# Altium PCB Driver_BLDC.PcbDoc (part 2 of 3)
Units mm, origin at the board's own origin, x right, y up, seen from the top; angles counter-clockwise.
Board outline 199.8 x 169.8 mm, 2 copper layers (Top Layer, Bottom Layer), stack 1.371 mm thick; 322 components, 137 nets, 857 pads, 186 vias.
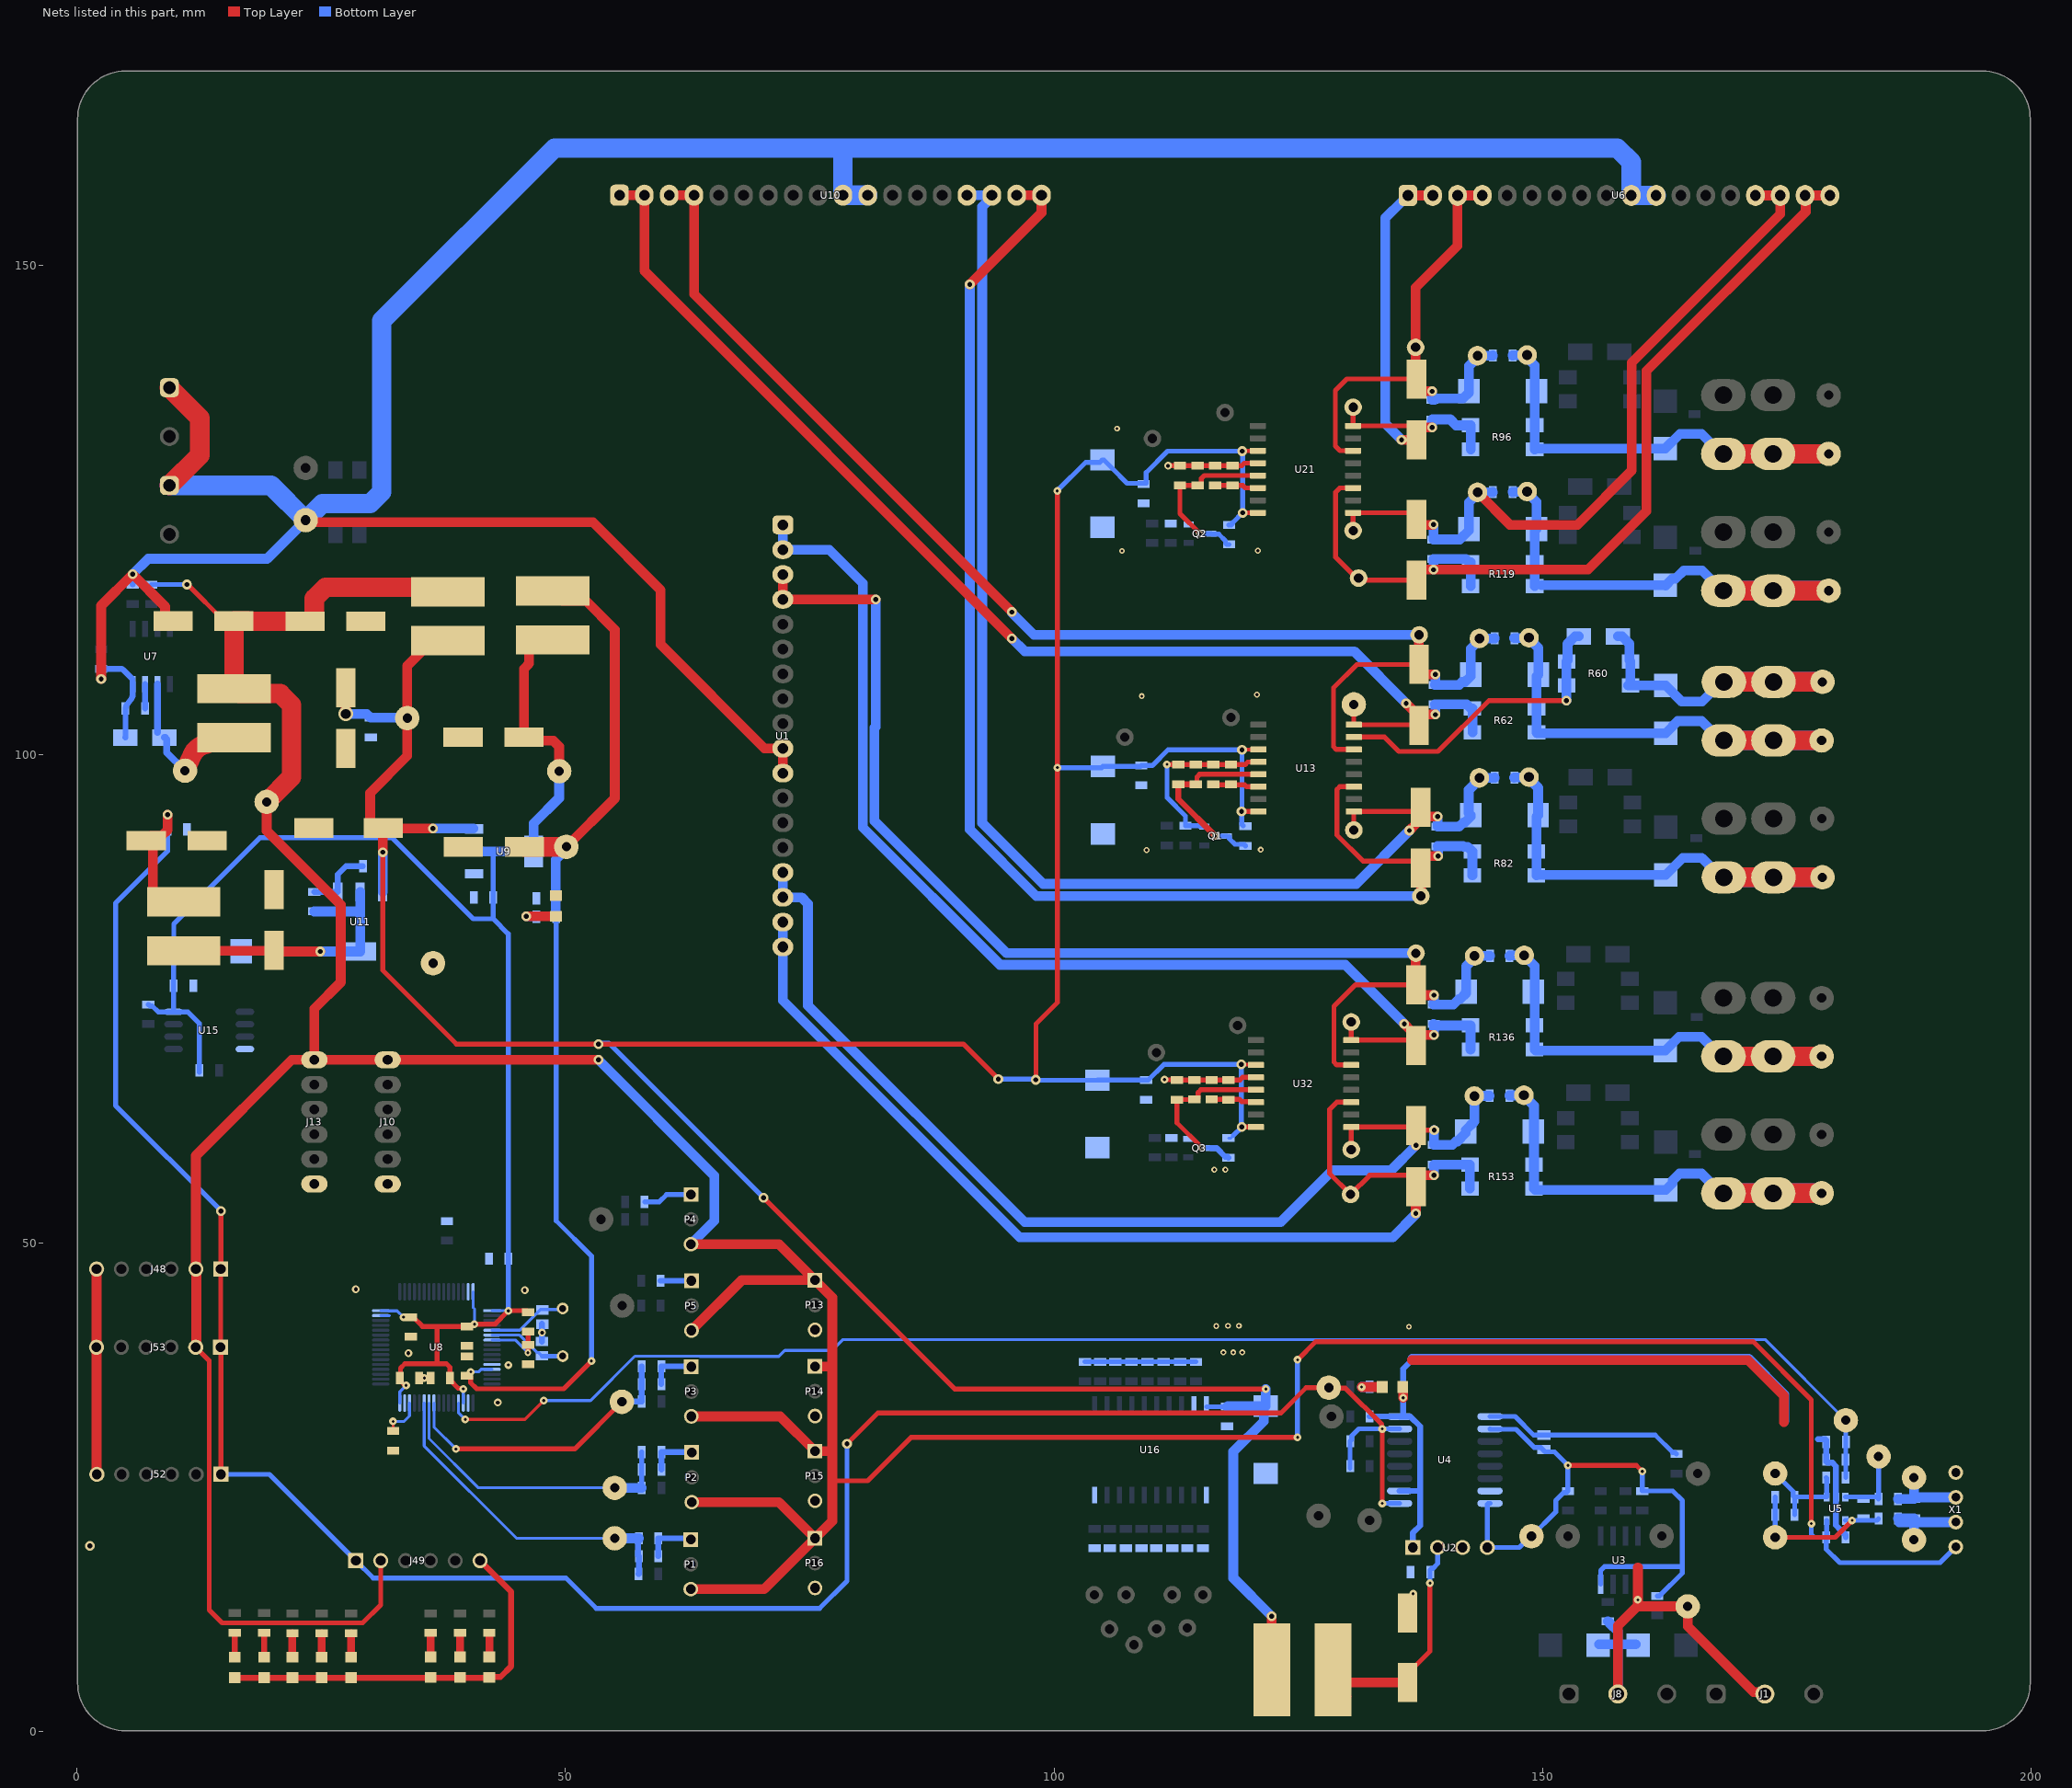
[diagram p2: the nets of this part, all layers, seen from the top]

## Via types
v1: diameter 0.8, hole 0.3, Top Layer to Bottom Layer, 76 vias
v2: diameter 0.8, hole 0.3, Top Layer to Bottom Layer, tented both sides, 35 vias
v3: diameter 1, hole 0.5, Top Layer to Bottom Layer, tented both sides, 35 vias
v4: diameter 0.6, hole 0.3, Top Layer to Bottom Layer, 16 vias
v5: diameter 1, hole 0.5, Top Layer to Bottom Layer, 16 vias
v6: diameter 0.8, hole 0.4, Top Layer to Bottom Layer, 4 vias
v7: diameter 0.8, hole 0.4, Top Layer to Bottom Layer, tented both sides, 2 vias
v8: diameter 0.7, hole 0.3, Top Layer to Bottom Layer, tented both sides, 1 vias
v9: diameter 1.5, hole 1, Top Layer to Bottom Layer, tented both sides, 1 vias

## Nets (pads, with @x,y where several pads share a name; then routed paths per layer and width w, separated by ;. In a path a pad name is that pad's centre, name@x,y a point inside that pad or via, vN(x,y) a via of type N, cw(c..) or ccw(c..) an arc to the next point about the centre after c; other vN are vias at no path point)
+3V3: C51.1 C52.2 J48.1 J49.1 J52.1 J53.1 L7.2 R25.2 R28.2 TP6.1 U4.1 U4.7 | length 249.7
  Top Layer w0.5: J53.1@14.747,39.332 J48.1@14.747,47.332 14.775,47.36 v3(14.775,53.275) ; J52.1@14.782,26.332 J53.1@14.782,39.287 ; v3(78.83,29.455) 81.989,32.614 123.224,32.614 125.809,35.198 TP6.1@128.125,35.198 ; TP6.1@128.125,35.775 128.666,35.775 128.666,35.529 129.049,35.146 129.832,35.146 133.536,31.443 133.536,31.039 v2(133.593,30.982) v2(133.593,23.362)
  Top Layer w1: v3(9.3,93.834) 9.3,92.245 8.714,91.659 7.625,91.659 C51.1@7.125,91.159 7.79,90.659 7.79,85.899 L7.2@10.96,84.899
  Bottom Layer w0.5: v3(9.3,93.834) C52.2@9.3,92.302 9.3,90.074 3.988,84.762 3.988,64.062 v3(14.775,53.275) ; J52.1@14.782,26.332 19.741,26.332 J49.1@28.577,17.496 30.348,15.725 50.061,15.725 53.174,12.612 76.017,12.612 78.83,15.425 v3(78.83,29.455) ; R28.2@130.303,26.947 R28.2@130.303,27.172 R25.2@130.303,29.712 130.453,29.862 130.453,30.224 131.211,30.982 v2(133.593,30.982) U4.7@135.368,30.982 ; v2(133.593,23.362) U4.1@135.368,23.362
+3V3_MCU: C4.2 C5.1 C12.1 C13.1 C14.1 C15.1 C16.1 C43.1 C46.2 L6.1 R13.1 R14.1 R58.2 TP33.1 U8.1 U8.19 U8.32 U8.48 U8.64 U9.2 U15.8 | length 180.7
  Top Layer w0.3: C13.1@38.22,35.961 C13.1@38.22,36.186
  Top Layer w0.5: C15.1@33.064,36.187 33.214,36.037 33.214,35.812 33.544,35.482 33.663,35.482 v2(33.72,35.424) ; C15.1@33.139,36.262 33.139,37.197 33.59,37.647 36.882,37.647 ; v2(33.451,42.42) 34.438,42.42 35.392,41.465 36.882,41.465 ; C13.1@38.214,36.226 38.214,37.27 37.836,37.647 36.882,37.647 ; C13.1@38.22,35.961 39.048,35.133 39.506,35.133 v1(39.564,35.076) ; R58.2@46.195,42.924 46.045,43.074 45.53,43.074 45.527,43.076 44.194,43.076 v2(44.171,43.053) 42.8,41.683 v2(40.715,41.683) 40.658,41.625 40.413,41.625 40.403,41.615 40.103,41.615 C14.1@39.953,41.465 36.882,41.465 ; 36.882,37.647 36.882,41.465
  Top Layer w1: L6.1@48.747,111.668 L6.1@48.717,111.698 47.303,111.698 46.303,110.698 46.303,109.284 45.765,108.746 C43.1@45.765,101.759 46.144,101.38 48.794,101.38 49.38,100.794 TP33.1@49.38,98.269
  Bottom Layer w0.3: C5.1@9.95,79.83 C5.1@9.95,79.98 ; U8.48@31.123,43.076 31.864,43.076 31.878,43.062 32.808,43.062 v2(33.451,42.42) ; U8.32@33.064,33.635 33.064,34.768 v2(33.72,35.424) ; U8.19@39.564,33.635 v1(39.564,35.076) ; U8.64@40.564,45.017 40.564,43.42 40.716,43.268 v2(40.715,41.683) ; U8.1@42.507,43.076 42.509,43.078 44.145,43.078 v2(44.171,43.053)
  Bottom Layer w0.5: R13.1@7.35,74.397 7.5,74.247 7.742,74.247 8.342,73.647 U15.8@9.918,73.647 ; C5.1@9.95,79.83 9.925,79.805 C4.2@9.925,76.33 9.925,73.653 U15.8@9.918,73.647 ; C5.1@9.95,79.98 9.95,82.649 18.76,91.459 32.292,91.459 40.581,83.17 42.63,83.17 ; R14.1@12.568,67.465 R14.1@12.568,67.659 12.568,72.448 11.37,73.647 U15.8@9.918,73.647 ; 42.63,90.059 C46.2@42.63,85.339 42.63,83.17 ; v2(44.171,43.053) 44.171,48.387 44.171,81.629 42.63,83.17
  Bottom Layer w1: U9.2@40.66,90.059 42.63,90.059 U9.2@46.76,90.059 46.76,92.912 49.38,95.532 TP33.1@49.38,98.269
+3V3_REF: C17.2 C44.1 C45.2 L6.2 R55.2 TP32.1 U8.13 | length 108.4
  Top Layer w0.3: C17.2@40.227,36.468 40.227,36.709 v2(40.337,36.82)
  Top Layer w0.5: C17.2@40.095,36.27 40.317,36.27 40.317,35.698 40.939,35.076 49.836,35.076 v1(52.68,37.92)
  Top Layer w1: L6.2@48.815,116.601 49.717,115.698 52.119,115.698 55.067,112.751 55.067,95.49 TP32.1@50.111,90.534
  Top Layer w2: C44.1@45.805,90.534 TP32.1@50.111,90.534 ; L6.2@48.717,116.698 L6.2@48.815,116.601
  Bottom Layer w0.3: v2(40.337,36.82) 40.352,36.834 41.166,36.834 41.408,37.076 U8.13@42.505,37.076
  Bottom Layer w0.5: R55.2@49.065,83.377 49.065,52.281 52.68,48.666 v1(52.68,37.92)
  Bottom Layer w1: R55.2@49.065,83.377 49.035,83.407 C45.2@49.035,85.247 49.035,89.198 50.111,90.274 TP32.1@50.111,90.534
+5: C6.2 C7.1 C19.1 C20.2 C21.1 C22.2 C23.1 C24.2 C39.1 C40.2 C42.2 C49.1 C54.2 L3.1 L4.2 R76.1 R104.1 R132.1 TP29.1 U9.3 U11.3 U13.3 U13.8 U16.20 U21.3 U21.8 U32.3 U32.8 | length 413.4
  Top Layer w0.4: v3(119.17,68.265) 119.196,68.239 120.645,68.239 U32.3@120.67,68.214 ; v3(119.245,100.465) 119.268,100.488 U13.3@120.932,100.488 ; v3(119.27,131.015) 119.3,131.045 120.853,131.045 U21.3@120.86,131.053
  Top Layer w0.5: v3(31.33,89.979) 31.33,77.89 38.862,70.358 v5(53.387,70.358) 90.729,70.358 v5(94.31,66.777) ; v5(70.282,54.636) 89.869,35.048 v1(121.675,35.048) ; v5(98.146,66.695) 98.171,66.721 98.171,72.415 100.355,74.6 v1(100.355,98.633) 100.355,126.924 v1(100.33,126.949) ; v3(119.195,94.14) 119.198,94.138 U13.8@120.932,94.138 ; v3(119.226,61.864) U32.8@120.67,61.864 ; v3(119.299,124.703) U21.8@120.86,124.703
  Top Layer w1: v9(27.55,104.139) C39.1@27.55,106.822 ; v3(31.33,89.979) 31.33,92.429 C49.1@31.36,92.459 ; C49.1@32.36,92.419 v3(36.45,92.419) ; C49.1@32.36,92.459 C49.1@31.36,92.459 ; TP29.1@33.83,103.339 33.83,99.832 30.04,96.042 30.04,92.959 30.54,92.459 C49.1@31.36,92.459 ; TP29.1@33.83,103.699 33.83,109.039 35.383,110.593 35.383,110.622 36.383,111.622 L4.2@37.998,111.622 L4.2@38.633,111.622 ; v3(122.276,11.811) 122.276,6.349 L3.1@122.3,6.325
  Bottom Layer w0.3: R132.1@117.866,60.727 118.091,60.727 R132.1@118.341,60.977
  Bottom Layer w0.5: v5(53.387,70.358) 53.444,70.415 53.656,70.415 53.7,70.46 54.458,70.46 v5(70.282,54.636) ; v5(94.31,66.777) 97.983,66.777 98.064,66.695 v5(98.146,66.695) 98.196,66.645 C23.1@104.445,66.645 104.473,66.674 C22.2@109.425,66.674 109.65,66.674 111.241,68.265 v3(119.17,68.265) 119.17,61.92 v3(119.226,61.864) R132.1@118.366,61.004 ; v1(100.33,126.949) 103.246,129.865 104.698,129.865 C21.1@104.953,130.12 105.103,130.12 105.953,129.27 107.495,127.728 109.44,127.728 109.44,128.823 111.632,131.015 v3(119.27,131.015) 119.299,130.986 v3(119.299,124.703) 118.292,123.695 118.292,123.619 118.142,123.469 R104.1@117.917,123.469 ; v1(100.355,98.633) 104.885,98.633 C19.1@105.004,98.751 108.851,98.751 C24.2@108.941,98.841 110.068,98.841 111.692,100.465 v3(119.245,100.465) 119.235,100.455 119.235,94.18 v3(119.195,94.14) 119.226,94.109 119.226,92.836 119.369,92.693 R76.1@119.387,92.693 ; U16.20@115.615,33.25 C6.2@117.725,33.25
  Bottom Layer w1: v9(27.55,104.139) 29.675,104.139 29.975,103.839 30,103.839 C40.2@30.1,103.739 33.79,103.739 TP29.1@33.83,103.699 ; U11.3@31.32,85.919 31.32,88.539 31.33,88.549 v3(31.33,89.979) ; v3(36.45,92.419) U9.3@40.6,92.419 ; C6.2@117.725,33.25 117.8,33.325 C7.1@121.675,33.325 v1(121.675,35.048) ; C7.1@121.467,33.117 121.467,31.768 118.35,28.651 118.35,15.736 v3(122.276,11.811)
+5V_1: C11.1 C25.2 C38.1 J10.6 J13.6 J48.2 J49.2 J53.2 L4.1 L5.2 P1.3 P2.3 P3.3 P4.3 P5.3 P13.1 P14.1 P15.1 P16.1 R56.1 TP30.1 U5.5 X1.1 | length 479.3
  Top Layer w0.5: v3(11.3,117.375) 11.354,117.375 15.1,113.629 C38.1@16.1,113.629 ; J53.2@12.197,39.332 13.564,37.965 13.564,12.446 14.885,11.125 29.259,11.125 31.117,12.983 J49.2@31.117,17.496 ; J48.2@12.207,47.332 J48.2@12.257,47.282 ; 77.325,25.665 80.94,25.665 85.4,30.125 v1(124.925,30.125) ; v1(124.925,38.05) 126.775,39.9 171.55,39.9 177.493,33.957 v1(177.493,21.294)
  Top Layer w1: J48.2@12.207,47.332 12.207,58.932 22.012,68.737 J13.6@24.328,68.737 ; J53.2@12.257,39.375 J48.2@12.257,47.282 ; TP30.1@19.45,95.125 19.45,92.189 27.025,84.614 27.025,76.674 24.328,73.977 J13.6@24.328,68.737 ; v5(53.391,68.732) 53.387,68.737 J10.6@31.828,68.737 J13.6@24.328,68.737 ; P1.3@62.842,14.587 70.352,14.587 P16.1@75.555,19.79 ; P4.3@62.867,49.881 71.864,49.881 P13.1@75.555,46.19 ; P3.3@62.893,32.262 71.998,32.262 P15.1@75.555,28.705 77.325,28.705 ; P5.3@62.917,41.051 68.056,46.19 P13.1@75.555,46.19 ; P2.3@62.943,23.487 71.858,23.487 P16.1@75.555,19.79 ; P14.1@75.555,37.375 77.325,37.375 ; P16.1@75.555,19.79 77.325,21.56 77.325,25.665 77.325,28.705 ; P13.1@75.555,46.19 77.325,44.42 77.325,37.375 ; 77.325,28.705 77.325,37.375
  Top Layer w2: C38.1@16.1,113.629 17.49,113.629 17.504,113.614 C11.1@22.504,113.614 ; C38.1@16.12,113.629 L5.2@16.12,106.709 16.62,106.209 20.828,106.209 22,105.037 22,97.675 TP30.1@19.45,95.125 ; C11.1@23.375,113.614 24.309,113.614 24.309,115.922 25.481,117.094 37.755,117.094 L4.1@38.159,116.69
  Bottom Layer w0.5: R56.1@7.64,117.369 11.294,117.369 v3(11.3,117.375) ; v1(124.925,30.125) v1(124.925,38.05) ; v1(177.493,21.294) 177.493,20.184 177.786,19.891 C25.2@179.013,19.891 ; U5.5@179.063,21.618 179.063,19.941 C25.2@179.013,19.891 ; X1.1@192.275,18.9 190.675,17.3 180.4,17.3 179.013,18.687 C25.2@179.013,19.891
  Bottom Layer w1: v5(53.391,68.732) 65.253,56.871 65.253,52.267 P4.3@62.867,49.881
+5V_ISO: C9.1 R24.2 R26.2 R27.2 TP5.1 U2.4 U3.8 U4.10 U4.16 | length 63.4
  Top Layer w0.5: v2(152.592,27.25) 159.589,27.25 v2(160.207,26.632)
  Bottom Layer w0.5: U4.16@144.618,23.362 144.435,23.362 144.343,23.27 U2.4@144.343,18.847 147.599,18.847 148.754,20.002 TP5.1@148.858,20.002 151.342,22.486 151.342,23.632 152.192,24.482 152.442,24.482 R27.2@152.592,24.632 ; U4.10@144.618,30.982 144.656,30.944 147.281,30.944 149.153,29.072 149.807,29.072 150.25,28.629 151.213,28.629 v2(152.592,27.25) 152.592,24.782 152.587,24.777 R27.2@152.587,24.637 ; U3.8@155.937,15.097 155.937,16.497 156.346,16.906 164.306,16.906 ; v2(160.207,26.632) R26.2@160.207,24.632 163.306,24.632 164.306,23.632 164.306,16.906 ; R24.2@161.732,13.892 161.957,13.892 164.306,16.241 164.306,16.906
+5V_RS: C33.1 C34.2 L3.2 U2.2 | length 26.2
  Top Layer w0.5: L3.2@128.55,6.325 128.55,5.227 128.726,5.051 L3.2@130.175,3.602 ; C33.1@136.175,5.025 136.175,6.025 136.925,6.775 137.007,6.775 138.475,8.243 v2(138.475,15.2)
  Top Layer w1: L3.2@128.55,5.051 128.726,5.051 C33.1@136.175,5.051
  Bottom Layer w0.5: v2(138.475,15.2) 138.486,15.211 138.486,16.538 138.648,16.7 138.753,16.7 139.263,17.21 U2.2@139.263,18.847
+24V_1: C57.2 C58.1 R62.2 TP36.1 U10.1 U10.2 U13.16 | length 127.6
  Top Layer w0.5: TP36.1@130.682,105.097 U13.16@130.682,103.028 137.307,103.028 C58.1@137.367,102.968
  Top Layer w1: U10.1@55.55,157.199 U10.2@58.09,157.199 58.09,149.454 v5(95.707,111.836) ; v3(136.045,105.215) 136.793,104.468 136.867,104.468 137.367,103.968 C58.1@137.367,103.563 ; C58.1@137.367,102.968 C58.1@137.367,103.563 ; v3(139.027,104.063) 137.867,104.063 C58.1@137.367,103.563
  Bottom Layer w1: v5(95.707,111.836) 97.003,110.541 130.72,110.541 v3(136.045,105.215) ; v3(139.027,104.063) 139.027,105.063 C57.2@138.987,105.103 142.226,105.103 142.651,104.678 R62.2@142.826,104.678 R62.2@142.826,102.228
+24V_2: C70.2 C71.1 R82.2 TP48.1 U10.17 U10.18 U13.11 | length 148.3
  Top Layer w0.5: U13.11@130.682,96.678 129.24,96.678 128.947,96.385 128.947,91.753 131.626,89.075 136.81,89.075 C71.1@137.155,88.73
  Top Layer w1: v5(91.389,148.082) 98.73,155.423 U10.18@98.73,157.199 U10.17@96.19,157.199 ; C71.1@137.155,88.73 137.57,88.315 TP48.1@137.57,85.94 ; C71.1@137.517,88.368 137.517,89.093 138.017,89.593 v3(139.307,89.593)
  Bottom Layer w1: v5(91.389,148.082) 91.389,92.304 98.196,85.496 TP48.1@137.541,85.496 ; v3(139.307,89.593) 139.307,90.553 C70.2@139.267,90.593 141.87,90.593 141.92,90.543 142.337,90.543 R82.2@142.812,90.068 R82.2@142.812,87.618
+24V_3: C86.2 C88.1 R96.2 TP50.1 U6.1 U6.2 U21.16 | length 49.3
  Top Layer w0.5: TP50.1@130.61,135.508 U21.16@130.61,133.593 136.285,133.593 C88.1@137.035,132.843 ; C88.1@137.095,132.175 137.095,132.688 C88.1@137.845,133.438
  Top Layer w1: v3(135.571,132.175) C88.1@137.095,132.175 ; U6.1@136.22,157.175 U6.2@138.76,157.175 ; C88.1@137.845,133.438 v3(138.705,133.438)
  Bottom Layer w0.5: v3(138.705,133.438) v3@138.715,133.448 ; C86.2@138.715,134.248 C86.2@138.725,134.258
  Bottom Layer w1: v3(135.571,132.175) 133.909,133.837 133.909,154.864 135.641,156.596 135.768,156.596 136.22,157.048 U6.1@136.22,157.175 ; v3@138.715,133.448 C86.2@138.715,134.248 ; C86.2@138.725,134.258 140.554,134.258 141.159,133.653 R96.2@142.64,133.653 R96.2@142.64,131.203
+24V_4: C102.2 C104.1 R119.2 TP53.1 U6.17 U6.18 U21.11 | length 93.7
  Top Layer w0.5: U21.11@130.61,127.243 129.251,127.243 128.829,126.821 128.829,120.147 130.949,118.027 TP53.1@131.173,118.027 131.397,117.803 C104.1@137.105,117.803
  Top Layer w1: C104.1@137.105,117.803 137.105,118.383 137.605,118.883 v5(138.825,118.883) 154.641,118.883 160.63,124.872 160.63,139.218 176.926,155.514 176.926,157.109 U6.17@176.86,157.175 U6.18@179.4,157.175
  Bottom Layer w1: v5(138.825,118.883) C102.2@138.825,119.978 ; C102.2@138.95,119.978 142.14,119.978 142.465,119.653 R119.2@142.64,119.653 R119.2@142.64,117.203
+24V_5: C115.2 C117.1 R136.2 TP56.1 U1.1 U1.2 U32.16 | length 121.5
  Top Layer w0.5: TP56.1@130.42,72.615 U32.16@130.42,70.754 136.495,70.754 C117.1@137.045,70.204
  Top Layer w1: v3(135.845,72.415) 136.545,71.715 136.545,71.299 C117.1@137.045,70.799 ; C117.1@137.045,70.204 C117.1@137.045,70.799 ; v3(138.875,71.299) 137.545,71.299 C117.1@137.045,70.799
  Bottom Layer w1: U1.1@72.263,123.469 U1.2@72.263,120.929 77.013,120.929 80.442,117.5 80.442,92.507 94.488,78.461 129.8,78.461 v3(135.845,72.415) ; C115.2@138.855,72.399 138.875,72.379 v3(138.875,71.299) ; C115.2@139.025,72.254 R136.2@142.63,72.254 R136.2@142.63,69.804
+24V_6: C138.2 C139.1 R153.2 TP58.1 U1.17 U1.18 U32.11 | length 116.9
  Top Layer w0.5: U32.11@130.42,64.404 128.945,64.404 128.194,63.652 128.194,57.125 TP58.1@130.353,54.966 132.309,56.921 136.295,56.921 136.721,56.495 136.721,56.098 C139.1@137.045,55.774
  Top Layer w1: v5(137.033,53.035) C139.1@137.033,55.761 ; C139.1@137.045,55.774 137.045,56.421 137.545,56.921 v5(138.895,56.921)
  Bottom Layer w1: U1.17@72.263,82.829 U1.18@72.263,80.289 72.263,74.828 96.495,50.597 134.669,50.597 137.033,52.961 v5(137.033,53.035) ; v5(138.895,56.921) C138.2@138.895,58.029 138.911,58.013 R153.2@142.57,58.013 R153.2@142.57,55.563
GND: C1.1 C2.1 C3.1 C4.1 C5.2 C6.1 C7.2 C8.2 C10.2 C11.2 C12.2 C13.2 C14.2 C15.2 C16.2 C17.1 C18.1 C19.2 C20.1 C21.2 C22.1 C23.2 C24.1 C25.1 C28.1 C33.2 C34.1 C36.2 C38.2 C39.2 C40.1 C41.2 C42.1 C43.2 C44.2 C45.1 C46.1 C47.2 C48.1 C49.2 C50.2 C51.2 C52.1 C53.1 C54.1 C64.1 C65.1 C97.1 C98.1 C126.1 C127.1 D1.2 D2.2 D3.2 D4.2 D5.2 D6.2 D7.2 D8.2 D9.2 D10.2 D11.2 J2.1 J9.1 J10.1 J13.1 J48.6 J49.6 J52.6 J53.6 P1.1 P2.1 P3.1 P4.1 P5.1 P13.3 P14.3 P15.3 P16.3 Q1.2 Q2.2 Q3.2 R4.2 R5.2 R6.2 R15.1 R16.1 R17.1 R18.1 R19.1 R20.1 R21.1 R29.1 R30.1 R31.1 R33.1 R34.1 R35.1 R37.1 R40.1 R42.1 R43.1 R44.1 R45.1 R52.2 R57.1 R59.1 R72.1 R73.1 R88.2 R107.1 R108.1 R113.2 R143.2 R146.1 R147.1 TP34.1 U1.10 U1.11 U2.1 U4.2 U4.8 U5.2 U6.10 U6.11 U7.4 U8.12 U8.18 U8.31 U8.47 U8.63 U9.1 U10.10 U10.11 U11.1 U13.4 U15.4 U16.1 U16.10 U16.19 U21.4 U32.4 X1.4 | length 588
  Top Layer w0.5: v1(111.32,66.715) 111.341,66.694 112.565,66.694 C126.1@112.585,66.674 112.591,66.679 R147.1@114.36,66.679 R146.1@116.14,66.679 C127.1@117.86,66.679 ; v1(111.57,98.965) 111.589,98.946 112.729,98.946 112.739,98.937 R73.1@114.519,98.937 119.557,98.937 119.833,99.212 120.927,99.212 U13.4@120.932,99.218 ; v6(111.67,129.518) C97.1@112.893,129.518 R108.1@114.713,129.518 R107.1@116.495,129.518 C98.1@118.265,129.518 119.22,129.518 119.485,129.783 U21.4@120.86,129.783 ; C127.1@117.865,66.674 119.024,66.674 119.294,66.944 U32.4@120.67,66.944 ; C33.2@136.2,13.15 136.756,13.706 v2(136.756,14.125)
  Top Layer w0.6: 2.007,37.399 2.047,37.439 ; D9.2@16.193,5.526 D7.2@19.202,5.526 D3.2@22.081,5.526 D2.2@25.081,5.526 D1.2@28.081,5.526 42.206,5.526 42.29,5.61 43.38,5.61 44.475,6.706 44.475,14.298 J49.6@41.277,17.496
  Top Layer w1: J48.6@2.047,47.332 2.047,37.439 2.047,26.367 J52.6@2.082,26.332 ; v3(2.52,107.709) 2.52,115.199 v3(5.74,118.419) 9.051,115.108 9.051,114.129 9.551,113.629 C38.2@9.877,113.629 ; C47.2@23.444,123.952 23.663,123.733 52.822,123.733 59.766,116.789 59.766,111.227 70.383,100.609 U1.10@72.263,100.609 U1.11@72.263,98.069 ; D8.2@135.693,35.267 135.733,35.227 v2(135.733,34.157) ; 136.625,38.025 171.025,38.025 174.677,34.373 174.677,31.68
  Top Layer w2: J9.1@9.5,127.5 12.6,130.6 12.6,134.412 J2.1@9.5,137.512
  Bottom Layer w0.3: U8.47@31.125,42.574 32.017,42.574
  Bottom Layer w0.5: R29.1@58.125,54.211 59.624,54.211 60.374,54.961 P4.1@62.867,54.961 ; R33.1@103.17,37.851 R34.1@104.725,37.851 R35.1@106.27,37.851 R37.1@107.94,37.851 R42.1@109.58,37.851 R43.1@111.225,37.851 R44.1@112.915,37.851 R45.1@114.534,37.851 ; v1(111.57,98.965) 111.57,95.567 113.46,93.677 R88.2@113.46,92.686 114.835,92.686 114.885,92.636 115.32,92.636 Q1.2@115.37,92.586
  Bottom Layer w0.6: v3(2.52,107.709) C41.2@2.52,108.749 4.422,108.749 cw(c4.422,108.149) 4.845,108.574 5.71,107.709 U7.4@5.735,107.184 5.735,106.053 cw(c5.135,106.053) 5.614,105.692 5.105,105.016 C36.2@5.005,104.691 5.005,101.734 D10.2@4.98,101.709 ; R57.1@5.74,117.369 v3(5.74,118.419) ; C53.1@24.31,85.919 U11.1@26.72,85.919 26.72,87.689 27.57,88.539 C54.1@29.29,88.539 ; C10.2@47.627,39.913 v7(47.627,40.831) C8.2@47.627,41.749 ; C1.1@59.522,17.957 R4.2@59.522,19.787 62.722,19.787 P1.1@62.842,19.667 ; R30.1@59.757,46.131 P5.1@62.917,46.131 ; C3.1@59.823,35.552 R6.2@59.823,37.384 62.851,37.384 P3.1@62.893,37.342 ; C2.1@59.826,26.832 R5.2@59.826,28.62 62.89,28.62 P2.1@62.943,28.567 ; R40.1@132.303,32.252 U4.8@135.368,32.252 ; U4.2@135.368,24.632 137.463,24.632 ; 136.625,38.025 135.733,37.133 v2(135.733,34.157) 135.733,32.298 135.687,32.252 U4.8@135.368,32.252 ; U2.1@136.723,18.847 136.723,20.357 137.463,21.097 137.463,24.632 ; 178.182,29.918 178.919,29.918 179.019,29.818 C28.1@179.019,29.657 179.019,27.844 R52.2@179.013,27.838 179.013,27.613 179.113,27.513 179.661,27.513 180.013,27.162 U5.2@180.013,24.018 180.013,21.114 180.439,20.688 180.441,20.688 181.013,20.116 C25.1@181.013,19.891 ; U4.8@135.368,32.252 135.387,32.233 136.462,32.233 137.463,31.232 137.463,24.632
  Bottom Layer w1: v3(5.74,118.419) 7.321,120 19.492,120 C47.2@23.444,123.952 ; 136.686,38.135 171.086,38.135 174.738,34.484 174.738,31.79
  Bottom Layer w2: J9.1@9.5,127.5 19.896,127.5 C47.2@23.444,123.952 25.146,125.654 30.045,125.654 31.217,126.825 31.217,144.348 48.895,162.027 78.065,162.027 ; U10.11@80.95,157.199 U10.10@78.41,157.199 78.41,161.682 78.065,162.027 ; U6.11@161.62,157.175 U6.10@159.08,157.175 159.08,160.579 157.632,162.027 78.065,162.027
  other v2: 35.588,36.186 44.184,37.516
  other v4: 117.341,38.81 118.35,38.81 119.275,38.81 136.322,41.427 116.611,41.504 117.805,41.529 118.923,41.529 116.408,57.506 117.541,57.506 109.474,90.196 121.166,90.236 108.991,105.943 120.777,106.096 106.959,120.802 120.86,120.821 106.453,133.315
  other v5: 1.375,19
  other v6: 33.953,38.732 45.847,45.161 28.575,45.275
  other v7: 43.104,33.67
GND_2: C9.2 J1.2 J8.2 R38.1 R41.1 TP20.1 U2.3 U3.5 U4.9 U4.15 ZD1.2 ZD2.2 | length 65.8
  Top Layer w1: J8.2@157.702,3.862 157.702,10.847 159.747,12.892 ; 159.747,16.805 v2(159.747,13.492) 159.747,12.892 ; J1.2@172.745,3.861 172.564,4.043 171.573,4.043 164.842,10.774 TP20.1@164.842,12.822 159.817,12.822 159.747,12.892
  Bottom Layer w0.5: U4.9@144.618,32.252 147.172,32.252 149.07,30.354 C9.2@150.147,30.354 161.521,30.354 163.313,28.562 163.562,28.562 R38.1@163.712,28.412 ; ZD2.2@155.687,8.862 ZD2.2@155.774,8.949 ; v2(159.747,13.492) U3.5@159.747,15.097
  Bottom Layer w1: ZD2.2@155.774,8.949 157.702,8.949 ; R41.1@156.662,11.292 156.687,11.292 156.887,11.092 156.887,11.067 157.702,10.252 157.702,8.949 ; J8.2@157.702,3.862 157.702,8.949 ; ZD1.2@159.512,8.949 157.702,8.949
GND_-24V_1: C57.1 C58.2 C61.2 C62.1 TP44.1 U10.3 U10.4 U13.14 VD4.2 | length 135.2
  Top Layer w0.5: U13.14@130.682,100.488 128.893,100.488 128.6,100.781 128.6,106.803 130.988,109.191 C58.2@137.367,109.191
  Top Layer w1: U10.3@60.63,157.199 U10.4@63.17,157.199 63.17,147.091 v5(95.707,114.554) ; TP44.1@137.345,111.815 137.345,109.213 C58.2@137.367,109.191 137.367,108.683 137.867,108.183 v3(139.017,108.183)
  Bottom Layer w1: v5(95.707,114.554) 95.707,114.478 97.968,112.217 TP44.1@137.367,112.217 ; v3(139.017,108.183) 139.017,107.133 C57.1@138.987,107.103 141.466,107.103 141.761,107.398 142.051,107.398 142.651,107.998 C61.2@142.651,108.148 142.651,110.798 143.526,111.673 VD4.2@143.526,111.846 143.539,111.858 145.089,111.858 C62.1@145.101,111.871
GND_-24V_2: C70.1 C71.2 C80.2 C82.1 TP49.1 U10.15 U10.16 U13.9 VD8.2 | length 140.2
  Top Layer w0.5: TP49.1@130.682,92.246 U13.9@130.682,94.138 137.064,94.138 C71.2@137.517,94.591
  Top Layer w1: v3(136.374,92.193) 137.017,92.836 137.017,94.091 C71.2@137.064,94.138 ; C71.2@137.517,94.591 137.517,94.133 138.017,93.633 v3(139.267,93.633)
  Bottom Layer w1: U10.15@91.11,157.199 U10.16@93.65,157.199 93.65,157.025 92.659,156.034 92.659,92.976 98.894,86.741 130.923,86.741 v3(136.374,92.193) ; v3(139.267,93.633) 139.267,92.593 141.447,92.593 141.887,93.033 142.037,93.033 142.637,93.633 C80.2@142.637,93.783 142.437,93.983 142.437,96.345 143.526,97.434 VD8.2@143.526,97.588 143.539,97.6 145.089,97.6 C82.1@145.101,97.613
GND_-24V_3: C86.1 C88.2 C92.2 C94.1 TP52.1 U6.3 U6.4 U21.14 VD13.2 | length 52.1
  Top Layer w0.5: U21.14@130.61,131.053 129.282,131.053 128.8,131.535 128.8,137.224 129.974,138.398 C88.2@137.095,138.398 137.095,137.888 C88.2@137.845,137.138
  Top Layer w1: TP52.1@136.995,141.24 136.995,138.498 C88.2@137.095,138.398 ; TP52.1@137.008,141.63 137.008,147.726 141.3,152.019 U6.3@141.3,157.175 U6.4@143.84,157.175 ; C88.2@137.845,137.138 v3(138.705,137.138)
  Bottom Layer w0.5: v3(138.705,137.138) v3@138.715,137.128 ; C86.1@138.715,136.268 C86.1@138.725,136.258
  Bottom Layer w1: C86.1@138.715,136.268 v3@138.715,137.128 ; C86.1@138.945,136.258 139.075,136.388 141.865,136.388 142.465,136.988 142.465,139.725 143.34,140.6 VD13.2@143.34,140.773 143.353,140.785 144.903,140.785 C94.1@144.915,140.798
GND_-24V_4: C102.1 C104.2 C110.2 C112.1 TP54.1 U6.15 U6.16 U21.9 VD17.2 | length 78.3
  Top Layer w0.5: TP54.1@130.61,122.892 U21.9@130.61,124.703 136.345,124.703 137.095,123.953 C104.2@137.095,123.936 ; C104.2@137.105,124.026 C104.2@137.675,123.456 ; v5@138.774,123.456 v5@138.825,123.405
  Top Layer w1: C104.2@137.675,123.456 v5@138.774,123.456 ; VD17.2@143.34,126.803 146.665,123.478 153.569,123.478 159.13,129.039 159.13,140.08 174.32,155.27 U6.16@174.32,157.175 U6.15@171.78,157.175
  Bottom Layer w1: v5@138.815,123.405 138.825,123.395 C102.1@138.825,121.978 141.535,121.978 142.465,122.908 C110.2@142.465,123.058 142.465,125.76 143.34,126.635 VD17.2@143.34,126.803 143.353,126.815 144.903,126.815 C112.1@144.915,126.828
  other v5: 138.825,123.495
GND_-24V_5: C115.1 C117.2 C122.2 C123.1 TP57.1 U1.3 U1.4 U32.14 VD23.2 | length 128.5
  Top Layer w0.5: U32.14@130.42,68.214 128.943,68.214 128.65,68.507 128.65,74.218 130.859,76.427 C117.2@137.045,76.427
  Top Layer w1: U1.3@72.263,118.389 U1.4@72.263,115.849 v5(81.763,115.849) ; TP57.1@137.02,79.04 137.02,76.452 C117.2@137.045,76.427 137.045,75.859 137.545,75.359 v3(138.895,75.359)
  Bottom Layer w1: v5(81.763,115.849) 81.763,102.824 81.643,102.705 81.643,93.159 95.148,79.654 TP57.1@137.045,79.654 ; v3(138.895,75.359) 138.895,74.439 C115.1@138.855,74.399 140.865,74.399 141.415,74.949 141.565,74.949 142.161,75.545 C122.2@142.161,75.695 ; C122.2@142.165,75.699 142.165,78.316 143.04,79.191 VD23.2@143.04,79.364 143.053,79.376 144.603,79.376 C123.1@144.615,79.389
GND_-24V_6: C138.1 C139.2 C142.2 C143.1 TP59.1 U1.15 U1.16 U32.9 VD27.2 | length 114.7
  Top Layer w0.5: TP59.1@130.42,59.361 U32.9@130.42,61.864 C139.2@136.912,61.864 ; C139.2@137.045,61.997 137.494,61.548 v5(138.911,61.548)
  Top Layer w1: C139.2@136.912,61.864 C139.2@137.045,61.997 v5(137.045,59.997)
  Bottom Layer w0.5: VD27.2@143.01,65.043 VD27.2@143.023,65.055 ; C143.1@144.573,65.055 C143.1@144.585,65.068
  Bottom Layer w1: U1.15@72.263,87.909 U1.16@72.263,85.369 74.168,85.369 74.828,84.709 74.828,74.295 97.003,52.121 123.19,52.121 128.501,57.432 134.481,57.432 v5(137.045,59.997) ; v5(138.911,61.548) 138.895,61.532 C138.1@138.895,60.029 140.766,60.029 141.135,60.398 141.285,60.398 142.135,61.248 142.135,61.548 143.01,62.423 VD27.2@143.01,65.043 ; VD27.2@143.023,65.055 C143.1@144.573,65.055
NetC1_2: C1.2 R1.2 R4.1 TP1.1 U8.27 | length 34
  Bottom Layer w0.3: U8.27@35.564,33.635 35.564,29.232 45.009,19.787 TP1.1@55.065,19.787
  Bottom Layer w0.6: R1.2@57.501,16.157 R1.2@57.511,16.147 57.522,16.158 C1.2@57.522,17.957 57.456,18.023 57.456,19.721 R4.1@57.522,19.787
  Bottom Layer w1: TP1.1@55.065,19.787 R4.1@57.522,19.787
NetC2_2: C2.2 R2.2 R5.1 TP2.1 U8.26 | length 31.2
  Bottom Layer w0.3: U8.26@36.064,33.635 36.064,29.998 41.111,24.951 TP2.1@55.948,24.951
  Bottom Layer w0.5: R2.2@57.826,24.951 C2.2@57.826,26.832 R5.1@57.826,28.62
  Bottom Layer w1: TP2.1@55.948,24.951 R2.2@57.826,24.951
NetC3_2: C3.2 R3.2 R6.1 TP3.1 U8.25 | length 30.3
  Top Layer w0.5: v2(38.811,28.931) 50.969,28.931 TP3.1@55.793,33.754
  Bottom Layer w0.3: U8.25@36.564,33.635 36.564,31.178 v2(38.811,28.931)
  Bottom Layer w0.6: TP3.1@55.793,33.754 55.808,33.769 57.808,33.769 R3.2@57.823,33.784 C3.2@57.823,35.552 R6.1@57.823,37.384
NetC8_1: C8.1 U8.5 Y1.2 | length 8.2
  Bottom Layer w0.3: U8.5@42.507,41.076 45.348,41.076 47.475,43.203 49.614,43.203 Y1.2@49.737,43.326
NetC10_1: C10.1 U8.6 Y1.1 | length 8.1
  Bottom Layer w0.3: U8.6@42.507,40.576 45.339,40.576 47.128,38.788 47.298,38.788 C10.1@47.627,38.459 C10.1@47.66,38.426
  Bottom Layer w0.5: C10.1@47.66,38.426 Y1.1@49.737,38.426
NetC18_2: C18.2 U8.30 | length 4.2
  Top Layer w0.3: C18.2@32.385,30.769 v1(32.385,31.743)
  Bottom Layer w0.3: v1(32.385,31.743) 33.505,31.743 34.064,32.302 U8.30@34.064,33.635
NetC26_1: C26.1 R51.1 TP26.1 X1.2 | length 10
  Bottom Layer w0.5: R51.1@186.368,21.813 186.368,21.585 R51.1@186.513,21.44
  Bottom Layer w1: R51.1@186.363,21.808 186.368,21.813 187.988,21.813 C26.1@187.993,21.818 TP26.1@187.993,19.638 ; R51.1@186.513,21.44 X1.2@192.275,21.44
NetC26_2: C26.2 R49.1 TP22.1 X1.3 | length 8.3
  Top Layer w1: TP22.1@187.993,25.998 TP22.1@188.178,25.998
  Bottom Layer w1: R49.1@186.363,23.818 C26.2@187.993,23.818 ; TP22.1@187.993,25.998 C26.2@187.993,23.818 ; X1.3@192.275,23.98 188.18,23.98 188.018,23.818 C26.2@187.993,23.818
NetC27_1: C27.1 C29.1 R51.2 R53.1 TP25.1 U5.4 | length 16.2
  Top Layer w0.5: TP25.1@173.793,19.891 179.936,19.891 v2(181.663,21.618)
  Bottom Layer w0.5: TP25.1@173.793,19.891 C29.1@173.793,23.998 ; U5.4@180.963,21.618 v2(181.663,21.618) 184.213,21.618 184.363,21.768 R51.2@184.363,21.808
NetC27_2: C27.2 R49.2 TP21.1 U5.3 | length 7.8
  Bottom Layer w0.5: U5.3@180.963,24.018 182.836,24.018 184.213,24.018 184.363,23.868 R49.2@184.363,23.818 ; R49.2@184.373,23.828 TP21.1@184.373,28.158
NetC28_2: C28.2 R50.1 R52.1 TP24.1 U8.20 | length 155.9
  Top Layer w0.3: v1(39.768,31.958) 39.778,31.948 45.867,31.948 v1(47.803,33.884)
  Bottom Layer w0.3: U8.20@39.064,33.635 39.066,33.632 39.066,32.66 v1(39.768,31.958) ; v1(47.803,33.884) 52.586,33.884 57.124,38.422 63.78,38.422 63.797,38.405 71.857,38.405 72.467,39.015 77.325,39.015 78.435,40.125 172.766,40.125 TP24.1@181.023,31.868
  Bottom Layer w0.5: R50.1@181.013,25.998 R52.1@181.013,27.838 181.013,29.651 C28.2@181.019,29.657 181.021,29.659 181.021,31.866 TP24.1@181.023,31.868
NetC29_2: C29.2 R50.2 R53.2 TP23.1 U5.1 | length 10.3
  Bottom Layer w0.5: TP23.1@173.793,26.418 175.643,24.568 175.643,24.148 C29.2@175.793,23.998 ; R53.2@175.793,22.188 C29.2@175.793,23.998 ; R50.2@179.013,25.998 179.063,25.948 U5.1@179.063,24.018 175.813,24.018 C29.2@175.793,23.998
NetC36_1: C36.1 U7.3 | length 2.5
  Bottom Layer w0.6: C36.1@7.005,104.691 U7.3@7.005,107.184
NetC48_2: C48.2 R58.1 U8.7 | length 6.3
  Top Layer w0.5: v8(46.177,38.777) 46.186,38.786 46.186,39.719 46.195,39.728 R58.1@46.195,40.881
  Bottom Layer w0.3: U8.7@42.507,40.076 44.878,40.076 v8(46.177,38.777)
NetC50_1: C50.1 C53.2 L7.1 U11.2 | length 29
  Top Layer w1: L7.1@10.96,79.899 20.175,79.899 C50.1@20.21,79.934 20.325,79.819 v3(24.935,79.819)
  Bottom Layer w1: C53.2@24.31,83.919 28.775,83.919 29.02,83.674 ; v3(24.935,79.819) U11.2@29.02,79.819 29.02,83.674 ; U11.2@29.02,85.919 29.02,83.674
NetC61_1: C61.1 C62.2 J16.1 R61.1 R62.1 TP39.1 VD2.1 VD4.1 | length 52.2
  Top Layer w2: J16.1@168.547,101.413 J16.1@173.627,101.413 TP39.1@178.547,101.413
  Bottom Layer w1: C62.2@147.101,111.871 147.127,111.896 148.576,111.896 VD4.1@148.601,111.921 148.601,111.823 149.551,110.873 C61.1@149.551,108.148 149.376,107.973 R62.1@149.376,104.678 R62.1@149.376,102.228 149.452,102.152 VD2.1@162.587,102.152 163.828,103.393 R61.1@165.738,103.393 166.265,103.393 168.245,101.413 J16.1@168.547,101.413
  Bottom Layer w2: J16.1@168.547,101.413 J16.1@173.627,101.413 TP39.1@178.547,101.413
NetC64_2: C64.2 Q1.3 R73.2 R76.2 U13.5 | length 19.5
  Top Layer w0.5: C64.2@112.729,96.927 C64.2@112.739,96.927 ; R73.2@114.519,96.937 114.627,97.046 114.627,97.673 114.902,97.948 U13.5@120.932,97.948
  Top Layer w0.6: R73.2@114.519,96.937 114.194,96.937 112.739,96.937 112.739,96.927 112.739,95.417 v2(116.52,91.636)
  Bottom Layer w0.5: v2(116.52,91.636) Q1.3@117.67,91.636 117.72,91.586 117.945,91.586 117.945,91.361 118.52,90.786 119.457,90.786 R76.2@119.607,90.636
NetC65_2: C65.2 R72.2 U13.6 | length 4.7
  Top Layer w0.5: R72.2@116.308,96.927 116.352,96.883 119.507,96.883 119.712,96.678 U13.6@120.932,96.678
NetC80_1: C80.1 C82.2 J21.1 R81.1 R82.1 TP51.1 VD6.1 VD8.1 | length 53
  Top Layer w2: J21.1@168.547,87.413 J21.1@173.627,87.413 TP51.1@178.637,87.413
  Bottom Layer w1: C82.2@147.101,97.613 147.127,97.638 148.576,97.638 VD8.1@148.601,97.663 148.601,97.513 149.537,96.577 C80.1@149.537,93.783 149.362,93.608 R82.1@149.362,90.068 R82.1@149.362,87.618 149.416,87.672 VD6.1@162.587,87.672 164.328,89.413 R81.1@165.718,89.413 166.285,89.413 168.285,87.413 J21.1@168.547,87.413
  Bottom Layer w2: J21.1@168.547,87.413 J21.1@173.627,87.413 TP51.1@178.637,87.413
NetC92_1: C92.1 C94.2 J26.1 R95.1 R96.1 TP63.1 VD11.1 VD13.1 | length 53.8
  Top Layer w2: J26.1@168.495,130.738 J26.1@173.575,130.738 TP63.1@179.271,130.738
  Bottom Layer w1: C94.2@146.915,140.798 146.94,140.823 148.39,140.823 VD13.1@148.415,140.848 148.415,140.577 149.19,139.802 R96.1@149.19,133.653 R96.1@149.19,131.203 149.244,131.257 VD11.1@162.535,131.257 164.066,132.788 R95.1@165.545,132.788 166.282,132.788 168.332,130.738 J26.1@168.495,130.738
  Bottom Layer w2: J26.1@168.495,130.738 J26.1@173.575,130.738 TP63.1@179.271,130.738
NetC97_2: C97.2 Q2.3 R104.2 R108.2 U21.5 | length 18.1
  Top Layer w0.5: v1(114.945,122.571) 112.893,124.623 C97.2@112.893,127.518 R108.2@114.713,127.518 114.938,127.518 115.088,127.668 115.088,128.22 115.381,128.513 U21.5@120.86,128.513
  Bottom Layer w0.5: v1(114.945,122.571) Q2.3@116.095,122.571 116.145,122.521 116.865,122.521 117.542,121.844 117.542,121.619 117.692,121.469 R104.2@117.917,121.469
NetC98_2: C98.2 R107.2 U21.6 | length 4.5
  Top Layer w0.5: R107.2@116.495,127.518 119.299,127.518 119.574,127.243 U21.6@120.86,127.243
NetC110_1: C110.1 C112.2 J31.1 R118.1 R119.1 TP70.1 VD15.1 VD17.1 | length 53.5
  Top Layer w2: J31.1@168.495,116.738 J31.1@173.575,116.738 TP70.1@179.271,116.738
  Bottom Layer w1: C112.2@146.915,126.828 146.94,126.853 148.39,126.853 VD17.1@148.415,126.878 148.415,126.758 149.365,125.808 C110.1@149.365,123.058 149.19,122.883 R119.1@149.19,119.653 R119.1@149.19,117.203 R119.1@149.324,117.337 ; R119.1@149.904,117.297 VD15.1@162.545,117.297 ; VD15.1@162.575,117.267 163.265,117.957 163.601,117.957 164.462,118.818 R118.1@165.635,118.818 166.312,118.818 168.392,116.738 J31.1@168.495,116.738
  Bottom Layer w2: J31.1@168.495,116.738 J31.1@173.575,116.738 TP70.1@179.271,116.738
NetC122_1: C122.1 C123.2 J36.1 R135.1 R136.1 TP83.1 VD21.1 VD23.1 | length 52.5
  Top Layer w2: J36.1@168.505,69.089 J36.1@173.585,69.089 TP83.1@178.545,69.089
  Bottom Layer w1: C123.2@146.615,79.389 146.64,79.414 148.09,79.414 VD23.1@148.115,79.439 148.115,79.418 149.18,78.353 R136.1@149.18,72.254 R136.1@149.18,69.804 149.306,69.678 VD21.1@162.555,69.678 163.976,71.099 R135.1@165.775,71.099 166.252,71.099 168.262,69.089 J36.1@168.505,69.089
  Bottom Layer w2: J36.1@168.505,69.089 J36.1@173.585,69.089 TP83.1@178.545,69.089
NetC126_2: C126.2 Q3.3 R132.2 R147.2 U32.5 | length 17.7
  Top Layer w0.5: R147.2@114.36,64.679 112.591,64.679 C126.2@112.585,64.674 112.585,62.3 v1(115.122,59.763) ; R147.2@114.585,64.679 114.735,64.829 114.735,65.386 115.028,65.679 120.665,65.679 U32.5@120.67,65.674
  Bottom Layer w0.5: v1(115.122,59.763) 115.149,59.737 116.018,59.737 Q3.3@116.044,59.711
  Bottom Layer w0.6: Q3.3@116.044,59.711 116.657,59.711 117.541,58.827 117.766,58.827 R132.2@117.866,58.727
NetC127_2: C127.2 R146.2 U32.6 | length 4.7
  Top Layer w0.5: R146.2@116.14,64.679 116.17,64.709 118.968,64.709 119.226,64.451 120.623,64.451 U32.6@120.67,64.404
NetC142_1: C142.1 C143.2 J40.1 R152.1 R153.1 TP88.1 VD25.1 VD27.1 | length 52.7
  Top Layer w2: J40.1@168.505,55.089 J40.1@173.585,55.089 TP88.1@178.545,55.089
  Bottom Layer w1: C143.2@146.585,65.068 146.61,65.093 148.06,65.093 VD27.1@148.085,65.118 148.085,65.067 149.12,64.032 R153.1@149.12,58.013 R153.1@149.12,55.563 149.245,55.438 VD25.1@162.595,55.438 163.295,56.138 163.295,56.399 163.995,57.099 166.252,57.099 168.262,55.089 J40.1@168.505,55.089
  Bottom Layer w2: J40.1@168.505,55.089 J40.1@173.585,55.089 TP88.1@178.545,55.089
NetD1_1: D1.1 R7.1 | length 2.5
  Top Layer w0.8: D1.1@28.081,7.626 R7.1@28.081,10.076
NetD2_1: D2.1 R8.1 | length 2.5
  Top Layer w0.8: D2.1@25.081,7.626 R8.1@25.081,10.076
NetD3_1: D3.1 R9.1 | length 2.5
  Top Layer w0.8: D3.1@22.081,7.626 R9.1@22.081,10.076
NetD4_1: D4.1 R10.1 | length 2.5
  Top Layer w0.8: D4.1@42.231,7.651 R10.1@42.231,10.101
NetD5_1: D5.1 R11.1 | length 2.5
  Top Layer w0.8: D5.1@39.231,7.651 R11.1@39.231,10.101
NetD6_1: D6.1 R12.1 | length 2.5
  Top Layer w0.8: D6.1@36.231,7.651 R12.1@36.231,10.101
NetD7_1: D7.1 R46.1 | length 2.5
  Top Layer w0.6: D7.1@19.202,7.626 R46.1@19.202,10.125
NetD8_1: D8.1 R39.1 | length 2.9
  Top Layer w1: v2(131.486,35.267) D8.1@133.593,35.267
  Bottom Layer w1: v2(131.486,35.267) 132.283,35.267 R39.1@132.303,35.287
NetD9_1: D9.1 R47.1 | length 2.5
  Top Layer w0.6: D9.1@16.193,7.626 R47.1@16.192,10.125
NetD10_1: D10.1 L5.1 TP28.1 U7.2 | length 15.8
  Top Layer w2: TP28.1@11.09,98.319 11.833,99.919 cw(c13.647,99.077) 13.192,101.025 13.98,101.209 L5.1@16.12,101.709
  Bottom Layer w0.7: D10.1@8.275,102.259 U7.2@8.275,107.184 ; D10.1@8.98,101.709 9.08,101.709 9.23,101.559 9.23,100.179 TP28.1@11.09,98.319
NetD11_1: D11.1 R55.1 | length 4
  Top Layer w1: v3(46.025,83.435) D11.1@49.035,83.435
  Bottom Layer w1: v3(46.025,83.435) R55.1@46.965,83.435
NetD12_1: D12.1 R60.1 U13.15 | length 31.9
  Top Layer w0.5: U13.15@130.682,101.758 133.822,101.758 135.297,100.283 139.292,100.283 144.502,105.493 v3(152.427,105.493)
  Bottom Layer w0.5: R60.1@152.427,107.033 R60.1@152.442,107.048
  Bottom Layer w1: v3(152.427,105.493) R60.1@152.427,107.033 ; R60.1@152.442,107.048 R60.1@152.442,109.498 152.56,109.615 152.56,111.305 153.317,112.063 D12.1@153.717,112.063
NetD12_2: D12.2 J14.1 R60.2 R61.2 TP35.1 VD2.2 | length 37.3
  Top Layer w2: J14.1@168.547,107.413 J14.1@173.627,107.413 TP35.1@178.637,107.413
  Bottom Layer w1: D12.2@157.717,112.063 158.117,112.063 158.875,111.305 158.875,109.615 R60.2@158.992,109.498 R60.2@158.992,107.048 R60.2@159.007,107.033 ; R60.2@158.767,107.033 VD2.2@162.587,107.033 164.227,105.393 R61.2@165.738,105.393 166.305,105.393 168.325,107.413 J14.1@168.547,107.413
  Bottom Layer w2: J14.1@168.547,107.413 J14.1@173.627,107.413 TP35.1@178.637,107.413